# KiCad board Neptune.kicad_pcb (continued)
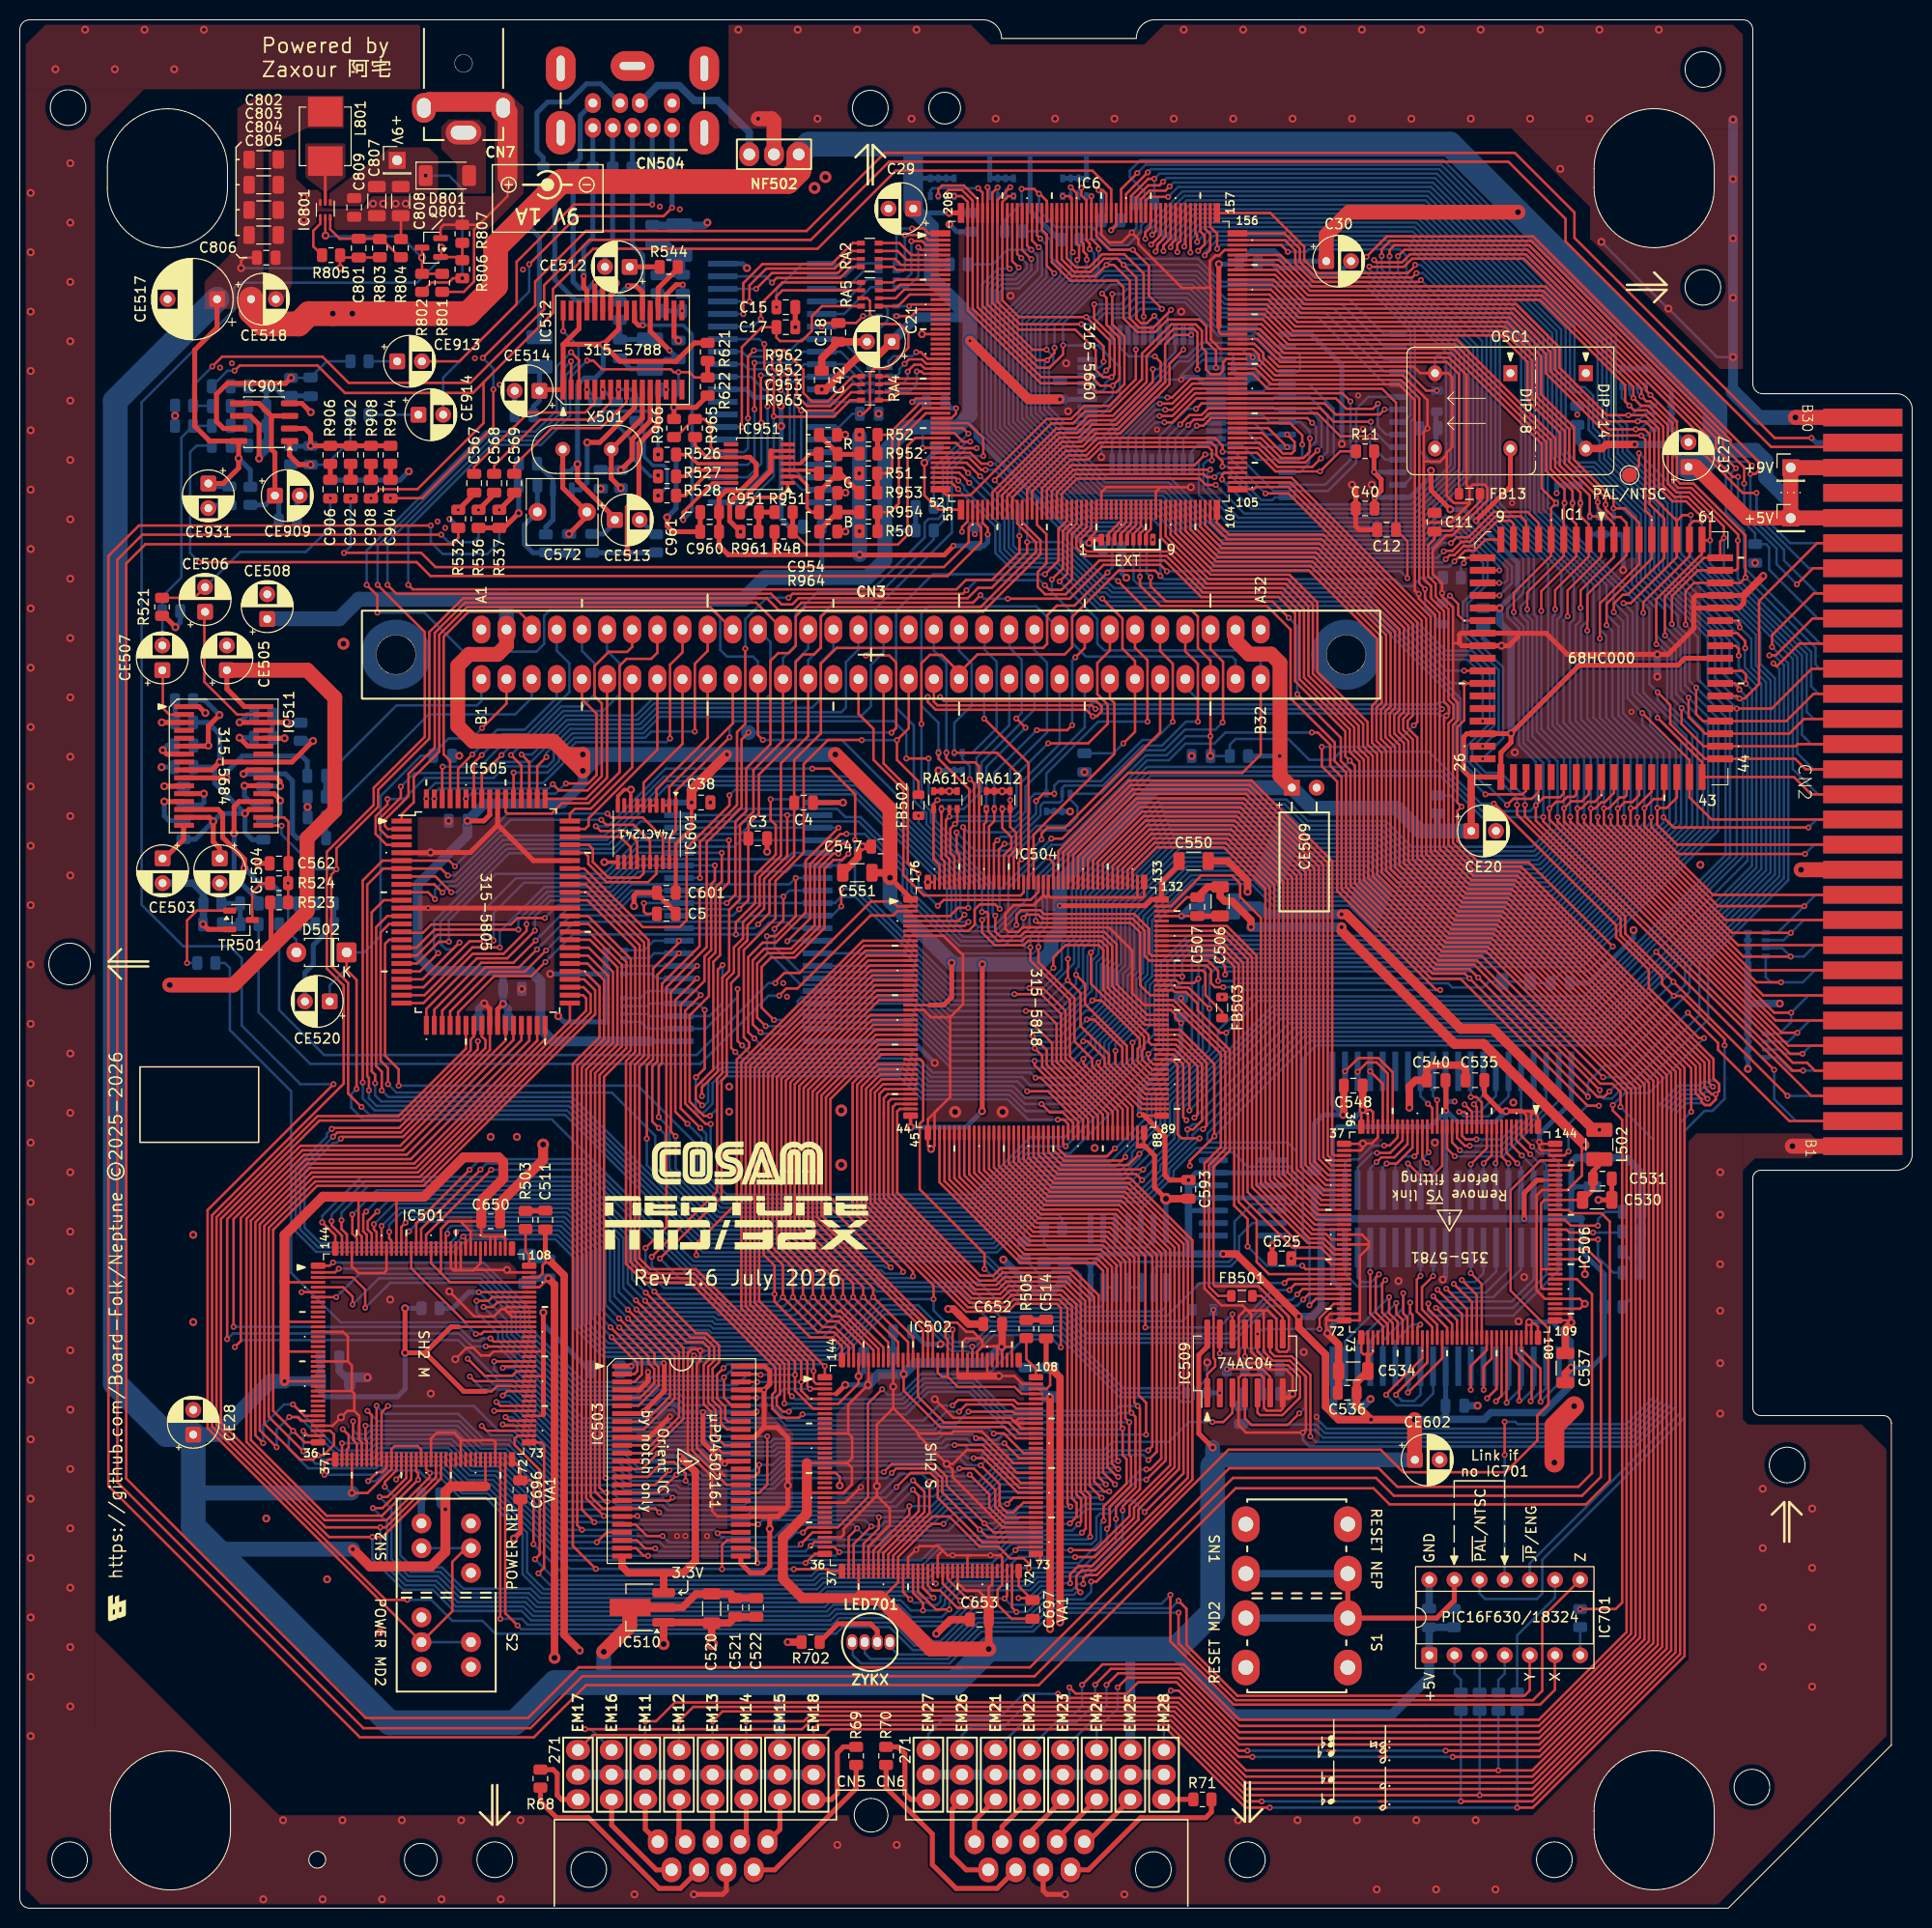
[diagram p0: board, top side]
## Footprints (pads in the part's own frame, mm; a bottom-side part is the same pattern mirrored in y, then rotated) (continued)
SO-14_Dual_Purpose_P1.27mm
  rrect 2.95x0.6 smd: 1(-2.975,3.81) 2(-2.975,2.54) 3(-2.975,1.27) 4(-2.975,0) 5(-2.975,-1.27) 6(-2.975,-2.54) 7(-2.975,-3.81) 8(2.975,-3.81) 9(2.975,-2.54) 10(2.975,-1.27) 11(2.975,0) 12(2.975,1.27) 14(2.975,3.81)
  rrect 2.95x0.59 smd: 13(2.975,2.545)
SO-32-0.8mm
  rect 0.5x2 smd: 1(-6,-4) 2(-5.2,-4) 3(-4.4,-4) 4(-3.6,-4) 5(-2.8,-4) 6(-2,-4) 7(-1.2,-4) 8(-0.4,-4) 9(0.4,-4) 10(1.2,-4) 11(2,-4) 12(2.8,-4) 13(3.6,-4) 14(4.4,-4) 15(5.2,-4) 16(6,-4) 17(6,4) 18(5.2,4) 19(4.4,4) 20(3.6,4) 21(2.8,4) 22(2,4) 23(1.2,4) 24(0.4,4) 25(-0.4,4) 26(-1.2,4) 27(-2,4) 28(-2.8,4) 29(-3.6,4) 30(-4.4,4) 31(-5.2,4) 32(-6,4)
SO-Mix-40
  rect 0.6x4 smd: 1(-12.065,-6) 2(-10.795,-6) 3(-9.525,-6) 4(-8.255,-6) 5(-6.985,-6) 6(-5.715,-6) 7(-4.445,-6) 8(-3.175,-6) 9(-1.905,-6) 10(-0.635,-6) 11(0.635,-6) 12(1.905,-6) 13(3.175,-6) 14(4.445,-6) 15(5.715,-6) 16(6.985,-6) 17(8.255,-6) 18(9.525,-6) 19(10.795,-6) 20(12.065,-6) 21(12.065,6) 22(10.795,6) 23(9.525,6) 24(8.255,6) 25(6.985,6) 26(5.715,6) 27(4.445,6) 28(3.175,6) 29(1.905,6) 30(0.635,6) 31(-0.635,6) 32(-1.905,6) 33(-3.175,6) 34(-4.445,6) 35(-5.715,6) 36(-6.985,6) 37(-8.255,6) 38(-9.525,6) 39(-10.795,6) 40(-12.065,6)
SOIC-28W_7.5x18.7mm_P1.27mm
  rrect 1.8x0.6 smd: 1(-5.6,8.255) 2(-5.6,6.985) 3(-5.6,5.715) 4(-5.6,4.445) 5(-5.6,3.175) 6(-5.6,1.905) 7(-5.6,0.635) 8(-5.6,-0.635) 9(-5.6,-1.905) 10(-5.6,-3.175) 11(-5.6,-4.445) 12(-5.6,-5.715) 13(-5.6,-6.985) 14(-5.6,-8.255) 15(5.6,-8.255) 16(5.6,-6.985) 17(5.6,-5.715) 18(5.6,-4.445) 19(5.6,-3.175) 20(5.6,-1.905) 21(5.6,-0.635) 22(5.6,0.635) 23(5.6,1.905) 24(5.6,3.175) 25(5.6,4.445) 26(5.6,5.715) 27(5.6,6.985) 28(5.6,8.255)
SOIC-40
  rect 0.6x3 smd: 1(-12.065,-7) 2(-10.795,-7) 3(-9.525,-7) 4(-8.255,-7) 5(-6.985,-7) 6(-5.715,-7) 7(-4.445,-7) 8(-3.175,-7) 9(-1.905,-7) 10(-0.635,-7) 11(0.635,-7) 12(1.905,-7) 13(3.175,-7) 14(4.445,-7) 15(5.715,-7) 16(6.985,-7) 17(8.255,-7) 18(9.525,-7) 19(10.795,-7) 20(12.065,-7) 21(12.065,7) 22(10.795,7) 23(9.525,7) 24(8.255,7) 25(6.985,7) 26(5.715,7) 27(4.445,7) 28(3.175,7) 29(1.905,7) 30(0.635,7) 31(-0.635,7) 32(-1.905,7) 33(-3.175,7) 34(-4.445,7) 35(-5.715,7) 36(-6.985,7) 37(-8.255,7) 38(-9.525,7) 39(-10.795,7) 40(-12.065,7)
SOJ-40
  rect 0.6x3 smd: 1(-12.065,-5) 2(-10.795,-5) 3(-9.525,-5) 4(-8.255,-5) 5(-6.985,-5) 6(-5.715,-5) 7(-4.445,-5) 8(-3.175,-5) 9(-1.905,-5) 10(-0.635,-5) 11(0.635,-5) 12(1.905,-5) 13(3.175,-5) 14(4.445,-5) 15(5.715,-5) 16(6.985,-5) 17(8.255,-5) 18(9.525,-5) 19(10.795,-5) 20(12.065,-5) 21(12.065,5) 22(10.795,5) 23(9.525,5) 24(8.255,5) 25(6.985,5) 26(5.715,5) 27(4.445,5) 28(3.175,5) 29(1.905,5) 30(0.635,5) 31(-0.635,5) 32(-1.905,5) 33(-3.175,5) 34(-4.445,5) 35(-5.715,5) 36(-6.985,5) 37(-8.255,5) 38(-9.525,5) 39(-10.795,5) 40(-12.065,5)
SOT-23
  rrect 1.475x0.6 smd: 1(-0.938,0.95) 2(-0.938,-0.95) 3(0.938,0)
SOT-23-3
  rrect 1.325x0.6 smd: 1(-1.137,0.95) 2(-1.137,-0.95) 3(1.137,0)
SOT-89-3_Handsoldering
  rrect 2.3x0.9 smd: 1(-2.45,1.5) 3(-2.45,-1.5)
  custom 6.6x1.733 smd: 2(-2.362,0)
SOT-563
  rrect 0.67x0.3 smd: 1(-0.75,0.5) 2(-0.75,0) 3(-0.75,-0.5) 4(0.75,-0.5) 5(0.75,0) 6(0.75,0.5)
SSOP-50
  rect 0.5x2 smd: 1(-9.6,-6) 2(-8.8,-6) 3(-8,-6) 4(-7.2,-6) 5(-6.4,-6) 6(-5.6,-6) 7(-4.8,-6) 8(-4,-6) 9(-3.2,-6) 10(-2.4,-6) 11(-1.6,-6) 12(-0.8,-6) 13(0,-6) 14(0.8,-6) 15(1.6,-6) 16(2.4,-6) 17(3.2,-6) 18(4,-6) 19(4.8,-6) 20(5.6,-6) 21(6.4,-6) 22(7.2,-6) 23(8,-6) 24(8.8,-6) 25(9.6,-6) 26(9.6,6) 27(8.8,6) 28(8,6) 29(7.2,6) 30(6.4,6) 31(5.6,6) 32(4.8,6) 33(4,6) 34(3.2,6) 35(2.4,6) 36(1.6,6) 37(0.8,6) 38(0,6) 39(-0.8,6) 40(-1.6,6) 41(-2.4,6) 42(-3.2,6) 43(-4,6) 44(-4.8,6) 45(-5.6,6) 46(-6.4,6) 47(-7.2,6) 48(-8,6) 49(-8.8,6) 50(-9.6,6)
TestPoint_Pad_D1.5mm
  round 1.5 smd: 1(0,0)
TSSOP-14_4.4x5mm_P0.65mm
  rrect 1.475x0.4 smd: 1(-2.862,1.95) 2(-2.862,1.3) 3(-2.862,0.65) 4(-2.862,0) 5(-2.862,-0.65) 6(-2.862,-1.3) 7(-2.862,-1.95) 8(2.862,-1.95) 9(2.862,-1.3) 10(2.862,-0.65) 11(2.862,0) 12(2.862,0.65) 13(2.862,1.3) 14(2.862,1.95)
TSSOP-20_4.4x6.5mm_P0.65mm
  rrect 1.475x0.4 smd: 1(-2.862,2.925) 2(-2.862,2.275) 3(-2.862,1.625) 4(-2.862,0.975) 5(-2.862,0.325) 6(-2.862,-0.325) 7(-2.862,-0.975) 8(-2.862,-1.625) 9(-2.862,-2.275) 10(-2.862,-2.925) 11(2.862,-2.925) 12(2.862,-2.275) 13(2.862,-1.625) 14(2.862,-0.975) 15(2.862,-0.325) 16(2.862,0.325) 17(2.862,0.975) 18(2.862,1.625) 19(2.862,2.275) 20(2.862,2.925)

## Nets
+3.3V: C523.1 IC503.1 IC503.7 IC503.13 IC503.25 IC503.38 IC503.44 IC510.3
+9V: C807.1 C808.1 C809.1 D801.1 IC801.1 R802.1 R806.1 TP2.1
AVCC: C21.1 C29.1 C30.1 C32.1 C37.2 C38.2 C40.2 C41.2 C42.2 C45.1 C46.1 C47.1 C48.1 C49.1 C50.1 C51.1 C508.1 C509.1 C510.1 C512.1 C513.1 C515.1 C516.1 C517.1 C518.1 C519.1 C520.1 C521.1 C522.1 C527.1 C528.1 C534.1 C535.1 C536.1 C537.1 C538.1 C539.1 C540.1 C541.1 C547.1 C548.1 C550.1 C551.1 C592.2 C593.1 C601.1 C642.2 C650.1 C651.1 C652.1 C653.1 C699.1 C701.1 C801.1 C802.1 C803.1 C804.1 C805.1 C806.1 C930.1 C960.1 C961.2 CE20.1 CE27.1 CE28.1 CE505.1 CE508.1 CE509.1 CE517.1 CE518.1 CE602.1 CE931.1 CN2.a26 CN2.a28 CN2.b26 CN2.b28 CN3.a2 CN3.a31 EM15.3 EM25.3 IC1.14 IC1.24 IC1.27 IC1.52 IC2.21 IC2.40 IC4.6 IC5.26 IC5.28 IC6.38 IC6.44 IC6.57 IC6.80 IC6.136 IC6.177 IC6.208 IC7.11 IC7.20 IC501.4 IC501.12 IC501.18 IC501.24 IC501.40 IC501.48 IC501.54 IC501.60 IC501.67 IC501.84 IC501.96 IC501.104 IC501.105 IC501.110 IC501.112 IC501.113 IC501.117 IC501.123 IC501.125 IC501.132 IC501.139 IC502.4 IC502.12 IC502.18 IC502.24 IC502.40 IC502.48 IC502.54 IC502.60 IC502.67 IC502.84 IC502.96 IC502.104 IC502.105 IC502.110 IC502.112 IC502.113 IC502.117 IC502.120 IC502.123 IC502.125 IC502.132 IC502.139 IC504.1 IC504.22 IC504.44 IC504.89 IC504.110 IC504.132 IC505.34 IC505.72 IC506.1 IC506.2 IC506.3 IC506.34 IC506.35 IC506.36 IC506.73 IC506.74 IC506.75 IC506.106 IC506.107 IC506.108 IC506.137 IC507.1 IC507.11 IC507.20 IC508.1 IC508.11 IC508.20 IC509.14 IC510.2 IC511.32 IC515.2 IC515.4 IC515.10 IC515.11 IC515.12 IC515.13 IC515.14 IC516.14 IC601.20 IC701.1 IC901.8 IC951.10 J2.1 L501.1 L502.1 L603.2 L801.2 NF502.3 OSC1.14 R10.2 R11.2 R12.1 R14.2 R15.2 R48.1 R50.1 R51.1 R52.1 R502.2 R507.2 R523.2 R558.1 R566.2 R611.1 R701.1 R803.1 R805.2 R913.2 R965.2 RA607.5 RA607.6 RA607.7 RA607.8 RA608.1 RA608.2 RA608.3 RA608.4 RA617.5 RA617.6 RA617.7 RA617.8 TP1.1 TP3.1
GND: C2.2 C3.2 C4.2 C5.2 C9.2 C10.2 C11.2 C12.2 C14.2 C15.2 C16.2 C17.2 C18.2 C21.2 C29.2 C30.2 C32.2 C37.1 C38.1 C40.1 C41.1 C42.1 C45.2 C46.2 C47.2 C48.2 C49.2 C50.2 C51.2 C60.2 C506.2 C507.2 C508.2 C509.2 C510.2 C511.2 C512.2 C513.2 C514.2 C515.2 C516.2 C517.2 C518.2 C519.2 C520.2 C521.2 C522.2 C523.2 C525.2 C526.2 C527.2 C528.2 C530.2 C531.2 C532.2 C533.2 C534.2 C535.2 C536.2 C537.2 C538.2 C539.2 C540.2 C541.2 C547.2 C548.2 C550.2 C551.2 C553.2 C554.2 C555.2 C562.1 C563.1 C570.1 C573.1 C575.2 C578.2 C580.1 C592.1 C593.2 C594.1 C595.1 C601.2 C642.1 C650.2 C651.2 C652.2 C653.2 C696.2 C697.2 C699.2 C701.2 C802.2 C803.2 C804.2 C805.2 C806.2 C807.2 C808.2 C809.2 C930.2 C960.2 C961.1 CA601.1 CA601.2 CA601.3 CA601.4 CA602.1 CA602.2 CA602.3 CA602.4 CA603.1 CA603.2 CA603.3 CA603.4 CA604.1 CA604.2 CA604.3 CA604.4 CE20.2 CE27.2 CE28.2 CE503.2 CE504.2 CE505.2 CE508.2 CE509.2 CE514.2 CE517.2 CE518.2 CE520.2 CE602.2 CE909.2 CE931.2 CN2.a1 CN2.a12 CN2.a30 CN2.b1 CN2.b12 CN2.b30 CN3.a1 CN3.a18 CN3.a32 CN5.8 CN6.8 CN7.2 CN504.10 EM11.2 EM12.2 EM13.2 EM14.2 EM15.2 EM16.2 EM17.2 EM18.2 EM21.2 EM22.2 EM23.2 EM24.2 EM25.2 EM26.2 EM27.2 EM28.2 IC1.16 IC1.17 IC1.56 IC1.57 IC2.1 IC2.20 IC4.26 IC5.14 IC6.21 IC6.34 IC6.53 IC6.54 IC6.81 IC6.92 IC6.129 IC6.133 IC6.153 IC6.179 IC6.180 IC7.30 IC7.40 IC501.6 IC501.14 IC501.20 IC501.26 IC501.33 IC501.42 IC501.50 IC501.56 IC501.62 IC501.69 IC501.78 IC501.86 IC501.91 IC501.98 IC501.99 IC501.100 IC501.106 IC501.107 IC501.115 IC501.119 IC501.120 IC501.121 IC501.134 IC501.141 IC502.6 IC502.14 IC502.20 IC502.26 IC502.33 IC502.42 IC502.50 IC502.56 IC502.62 IC502.69 IC502.78 IC502.86 IC502.91 IC502.98 IC502.99 IC502.100 IC502.106 IC502.107 IC502.115 IC502.119 IC502.121 IC502.134 IC502.141 IC503.4 IC503.10 IC503.26 IC503.31 IC503.32 IC503.41 IC503.47 IC503.50 IC504.8 IC504.23 IC504.45 IC504.46 IC504.87 IC504.88 IC504.111 IC504.130 IC504.133 IC504.134 IC504.152 IC504.153 IC504.175 IC504.176 IC505.5 IC505.12 IC505.33 IC505.53 IC505.59 IC505.71 IC506.33 IC506.37 IC506.38 IC506.55 IC506.57 IC506.71 IC506.72 IC506.109 IC506.110 IC506.111 IC506.113 IC506.121 IC506.135 IC506.139 IC506.140 IC506.143 IC506.144 IC507.21 IC507.30 IC507.40 IC508.21 IC508.30 IC508.40 IC509.7 IC510.1 IC511.1 IC512.15 IC512.18 IC512.26 IC515.7 IC516.7 IC601.8 IC601.10 IC601.11 IC701.14 IC801.3 IC901.4 IC951.5 IC951.6 J2.9 L604.2 NF502.2 OSC1.7 Q801.2 R40.2 R41.2 R508.1 R509.1 R511.1 R512.1 R514.1 R516.1 R521.2 R522.2 R529.2 R530.2 R531.2 R535.2 R536.2 R537.2 R539.2 R622.1 R702.2 R801.2 R804.2 R807.2 R909.2 R910.2 R912.2 R914.1 R961.2 R962.2 R963.2 R964.2 R966.1 RA601.5 RA601.6 RA601.7 RA601.8 RA602.5 RA602.6 RA602.7 RA602.8 RA611.5 RA611.6 RA611.7 RA611.8 RA612.5 RA612.6 RA612.7 RA612.8 RM3.1 RM3.2 RM3.3 RM3.4 RM4.1 RM4.2 RM4.3 RM4.4 RM5.1 RM5.2 RM5.3 RM5.4 RM6.1 RM6.2 RM6.3 RM6.4 S1.1 S2.1 SN1.1 SN2.1 TR501.2
3BP_VIDEO_B: IC951.13 R528.1
3BP_VIDEO_G: IC951.12 R527.1
3BP_VIDEO_R: IC951.11 R526.1
/32X Main 2/ED0: IC506.105 IC508.2
/32X Main 2/ED1: IC506.104 IC508.3
/32X Main 2/ED2: IC506.103 IC508.4
/32X Main 2/ED3: IC506.102 IC508.5
/32X Main 2/ED4: IC506.101 IC508.6
/32X Main 2/ED5: IC506.100 IC508.7
/32X Main 2/ED6: IC506.99 IC508.8
/32X Main 2/ED7: IC506.98 IC508.9
/32X Main 2/ED8: IC506.97 IC508.32
/32X Main 2/ED9: IC506.96 IC508.33
/32X Main 2/ED10: IC506.95 IC508.34
/32X Main 2/ED11: IC506.94 IC508.35
/32X Main 2/ED12: IC506.93 IC508.36
/32X Main 2/ED13: IC506.92 IC508.37
/32X Main 2/ED14: IC506.91 IC508.38
/32X Main 2/ED15: IC506.90 IC508.39
/32X Main 2/OD0: IC506.4 IC507.2
/32X Main 2/OD1: IC506.5 IC507.3
/32X Main 2/OD2: IC506.6 IC507.4
/32X Main 2/OD3: IC506.7 IC507.5
/32X Main 2/OD4: IC506.8 IC507.6
/32X Main 2/OD5: IC506.9 IC507.7
/32X Main 2/OD6: IC506.10 IC507.8
/32X Main 2/OD7: IC506.11 IC507.9
/32X Main 2/OD8: IC506.12 IC507.32
/32X Main 2/OD9: IC506.13 IC507.33
/32X Main 2/OD10: IC506.14 IC507.34
/32X Main 2/OD11: IC506.15 IC507.35
/32X Main 2/OD12: IC506.16 IC507.36
/32X Main 2/OD13: IC506.17 IC507.37
/32X Main 2/OD14: IC506.18 IC507.38
/32X Main 2/OD15: IC506.19 IC507.39
/Misc/~{PWR_EN}: Q801.1 R806.2 R807.1 S2.2 SN2.2
AD0: IC7.7 IC7.25 RA6.4
AD1: IC7.8 IC7.24 RA6.3
AD2: IC7.9 IC7.23 RA6.2
AD3: IC7.10 IC7.22 RA6.1
AD4: IC7.19 IC7.31 RA4.1
AD5: IC7.18 IC7.32 RA4.2
AD6: IC7.17 IC7.33 RA4.3
AD7: IC7.21 IC7.34 RA4.4
BFP: IC506.141 IC512.2
CTA1: CN3.a17 IC505.4
CTA2: CN3.a15 IC505.3
CTA3: CN3.a13 IC505.2
CTA4: CN3.a11 IC505.1
CTA5: CN3.a9 IC505.80
CTA6: CN3.a7 IC505.79
CTA7: CN3.a5 IC505.78
CTA8: CN3.a3 IC505.77
CTA9: CN3.b4 IC505.76
CTA10: CN3.b5 IC505.75
CTA11: CN3.a4 IC505.74
CTA12: CN3.a6 IC505.73
CTA13: CN3.a8 IC505.70
CTA14: CN3.a10 IC505.69
CTA15: CN3.a12 IC505.68
CTA16: CN3.a14 IC505.67
CTA17: CN3.a16 IC505.66
CTA18: CN3.b6 IC505.65
CTA19: CN3.b7 IC505.64
CTA20: CN3.b8 IC505.63
CTA21: IC505.62 IC601.13
CTA22: IC505.61 IC601.15
CTA23: IC505.60 IC601.17
CTD0: CN3.a20 IC504.159 RA602.3
CTD1: CN3.a23 IC504.160 RA612.4
CTD2: CN3.a26 IC504.161 RA612.3
CTD3: CN3.a29 IC504.162 RA601.3
CTD4: CN3.a28 IC504.163 RA601.2
CTD5: CN3.a25 IC504.164 RA612.2
CTD6: CN3.a22 IC504.165 RA612.1
CTD7: CN3.a19 IC504.166 RA602.2
CTD8: CN3.a21 IC504.167 RA602.4
CTD9: CN3.a24 IC504.168 RA602.1
CTD10: CN3.a27 IC504.169 RA601.1
CTD11: CN3.a30 IC504.170 RA601.4
CTD12: CN3.b25 IC504.171 RA611.4
CTD13: CN3.b24 IC504.172 RA611.3
CTD14: CN3.b23 IC504.173 RA611.2
CTD15: CN3.b22 IC504.174 RA611.1
EDCLK: C11.1 FB13.2 R562.1
FC0: IC1.30 IC6.50
FC1: IC1.29 IC6.51
FTOB: IC501.95 R525.2
IA14: IC2.34 IC6.77
IOB: IC506.131 R534.1
IOG: IC506.123 R533.1
IOR: IC506.117 R532.1
LED_B: IC701.8 LED701.1
LED_G: IC701.5 LED701.2
LED_R: IC701.6 LED701.4
LPF_BYPASS: IC951.9 R965.1 R966.2
MA_SL: CE913.2 FB511.1
MA_SR: CE914.2 FB510.1
MCLK: FB1.2 IC6.134
MOL: C901.1 IC6.56
MOR: C902.1 IC6.55
NTSC: IC6.46 IC506.68 IC512.32 IC701.12 TP5.1
PA0: EM11.3 IC6.100 R706.2
PA1: EM12.3 IC6.101
PA2: EM13.3 IC6.102
PA3: EM14.3 IC6.103
PA4: EM16.3 IC6.104 R705.2
PA5: EM18.3 IC6.105 R704.2
PA6: EM17.3 IC6.106 R707.2
PB0: EM21.3 IC6.93
PB1: EM22.3 IC6.94
PB2: EM23.3 IC6.95
PB3: EM24.3 IC6.96
PB4: EM26.3 IC6.97
PB5: EM28.3 IC6.98
PB6: EM27.3 IC6.99
PC0: IC6.85 J2.2
PC1: IC6.86 J2.3
PC2: IC6.87 J2.4
PC3: IC6.88 J2.5
PC4: IC6.89 J2.6
PC5: IC6.90 J2.7
PC6: IC6.91 J2.8
PCM0: IC504.2 R515.1
PCM1: IC504.3 R513.1
PSG: C907.1 C908.1 IC6.178 R912.1
R/W: IC1.9 IC6.194
SBCR: C621.1 IC6.131 R621.1 R622.2
SCK: IC501.103 IC502.103 R502.1
SD0: IC7.2 RA1.4
SD1: IC7.3 RA1.3
SD2: IC7.4 RA1.2
SD3: IC7.5 RA1.1
SD4: IC7.36 RA2.1
SD5: IC7.37 RA2.2
SD6: IC7.38 RA2.3
SD7: IC7.39 RA2.4
SHA1: IC501.31 IC502.31 IC503.21 IC504.35 IC505.40
SHA2: IC501.32 IC502.32 IC503.22 IC504.36 IC505.41
SHA3: IC501.34 IC502.34 IC503.23 IC504.37 IC505.42
SHA4: IC501.35 IC502.35 IC503.24 IC504.38 IC505.43
SHA5: IC501.36 IC502.36 IC503.27 IC504.39 IC505.44
SHA6: IC501.37 IC502.37 IC503.28 IC504.40 IC505.45
SHA7: IC501.38 IC502.38 IC503.29 IC504.41 IC505.46
SHA8: IC501.39 IC502.39 IC503.30 IC504.42 IC505.47
SHA9: IC501.41 IC502.41 IC503.20 IC504.43 IC505.48
SHA10: IC501.43 IC502.43 IC503.19 IC504.47 IC505.49
SHA11: IC501.44 IC502.44 IC504.48 IC505.50
SHA12: IC501.45 IC502.45 IC504.49 IC505.51
SHA13: IC501.46 IC502.46 IC504.50 IC505.52
SHA14: IC501.47 IC502.47 IC504.51 IC505.54
SHA15: IC501.49 IC502.49 IC504.52 IC505.55
SHA16: IC501.51 IC502.51 IC504.53 IC505.56
SHA17: IC501.52 IC502.52 IC504.54 IC505.57
SHA18: IC501.53 IC502.53 IC505.39
SHA19: IC501.55 IC502.55 IC505.38
SHA20: IC501.57 IC502.57 IC505.31
SHA21: IC501.58 IC502.58 IC505.30
SHCLK: FB506.2 IC501.118 IC502.118 IC503.35 IC505.32
SHD0: IC501.130 IC502.130 IC503.2 IC504.26
SHD1: IC501.131 IC502.131 IC503.3 IC504.25
SHD2: IC501.133 IC502.133 IC503.5 IC504.24
SHD3: IC501.135 IC502.135 IC503.6 IC504.21
SHD4: IC501.136 IC502.136 IC503.8 IC504.20
SHD5: IC501.137 IC502.137 IC503.9 IC504.19
SHD6: IC501.138 IC502.138 IC503.11 IC504.18
SHD7: IC501.140 IC502.140 IC503.12 IC504.17
SHD8: IC501.142 IC502.142 IC503.39 IC504.16
SHD9: IC501.143 IC502.143 IC503.40 IC504.15
SHD10: IC501.144 IC502.144 IC503.42 IC504.14
SHD11: IC501.1 IC502.1 IC503.43 IC504.13
SHD12: IC501.2 IC502.2 IC503.45 IC504.12
SHD13: IC501.3 IC502.3 IC503.46 IC504.11
SHD14: IC501.5 IC502.5 IC503.48 IC504.10
SHD15: IC501.7 IC502.7 IC503.49 IC504.9
SHDREQ0: IC501.70 IC502.70 IC504.66
SHDREQ1: IC501.71 IC502.71 IC504.65
SHRDWR: IC501.77 IC502.77 IC503.15 IC504.59
SL1: C591.1 CN3.b1 R512.2
SL2: C903.1 CN2.b29 R41.1
SL4: C905.1 CE507.2 R522.1 R909.1
SR1: C589.1 CN3.b3 R511.2
SR2: C904.1 CN2.a29 R40.1
SR4: C906.1 CE506.2 R521.1 R910.1
TX0M: IC501.102 IC502.101
TX0S: IC501.101 IC502.102
VA1: CN2.b3 IC1.32 IC2.11 IC6.154 IC504.84 IC505.29
VA2: CN2.b4 IC1.33 IC2.10 IC6.155 IC504.83 IC505.28
VA3: CN2.b5 IC1.34 IC2.9 IC6.156 IC504.82 IC505.27
VA4: CN2.b6 IC1.35 IC2.8 IC6.157 IC504.81 IC505.26
VA5: CN2.b7 IC1.36 IC2.7 IC6.158 IC504.80 IC505.25
VA6: CN2.b8 IC1.37 IC2.6 IC6.159 IC504.79 IC505.24
VA7: CN2.b9 IC1.38 IC2.5 IC6.160 IC504.78 IC505.23
VA8: CN2.b10 IC1.39 IC2.4 IC6.161 IC504.77 IC505.22
VA9: CN2.b11 IC1.40 IC2.3 IC6.162 IC504.76 IC505.21
VA10: CN2.b13 IC1.41 IC2.2 IC6.163 IC504.75 IC505.20
VA11: CN2.b14 IC1.42 IC2.37 IC6.164 IC504.74 IC505.19
VA12: CN2.b15 IC1.43 IC2.36 IC6.165 IC504.73 IC505.18
VA13: CN2.b16 IC1.44 IC2.35 IC6.166 IC504.72 IC505.17
VA14: CN2.b17 IC1.45 IC6.167 IC504.71 IC505.16
VA15: CN2.b18 IC1.46 IC2.33 IC6.168 IC504.70 IC505.15
VA16: CN2.b19 IC1.47 IC6.169 IC504.69 IC505.14
VA17: CN2.b20 IC1.48 IC6.170 IC504.68 IC505.13
VA18: CN2.b25 IC1.49 IC6.171 IC504.67 IC505.11
VA19: CN2.a2 IC1.50 IC6.172 IC504.101
VA20: IC1.51 IC6.173 IC504.102
VA21: C2.1 IC1.53 IC6.174 IC504.103 IC601.14
VA22: IC1.54 IC6.175 IC504.104 IC505.7 IC601.16
VA23: IC1.55 IC6.176 IC504.105 IC505.6 IC601.18
VCLK: CN3.b19 FB7.1 IC6.130 IC509.9
VD0: CA601.8 CN2.a4 IC1.5 IC2.12 IC6.137 IC504.86 RM3.8
VD1: CA601.7 CN2.a5 IC1.4 IC2.13 IC6.138 IC504.92 RM3.7
VD2: CA601.6 CN2.a6 IC1.3 IC2.14 IC6.139 IC504.95 RM3.6
VD3: CA601.5 CN2.a7 IC1.2 IC2.15 IC6.140 IC504.98 RM3.5
VD4: CA602.5 CN2.a8 IC1.1 IC2.16 IC6.141 IC504.97 RM4.8
VD5: CA602.6 CN2.a9 IC1.68 IC2.17 IC6.142 IC504.94 RM4.7
VD6: CA602.7 CN2.a10 IC1.67 IC2.18 IC6.143 IC504.91 RM4.6
VD7: CA602.8 CN2.a11 IC1.66 IC2.19 IC6.144 IC504.85 RM4.5
VD8: CA603.5 CN2.a13 IC1.65 IC2.22 IC6.145 IC504.90 RM5.8
VD9: CA603.6 CN2.a14 IC1.64 IC2.23 IC6.146 IC504.93 RM5.7
VD10: CA603.7 CN2.a15 IC1.63 IC2.24 IC6.147 IC504.96 RM5.6
VD11: CA603.8 CN2.a16 IC1.62 IC2.25 IC6.148 IC504.99 RM5.5
VD12: CA604.8 CN2.a17 IC1.61 IC2.26 IC6.149 IC504.117 RM6.8
VD13: CA604.7 CN2.a18 IC1.60 IC2.27 IC6.150 IC504.116 RM6.7
VD14: CA604.6 CN2.a19 IC1.59 IC2.28 IC6.151 IC504.115 RM6.6
VD15: CA604.5 CN2.a20 IC1.58 IC2.29 IC6.152 IC504.114 RM6.5
VIDEO_B: IC6.37 R50.2 R954.1
VIDEO_G: IC6.36 R51.2 R953.1
VIDEO_R: IC6.35 R52.2 R952.1
XA21: CN3.b9 IC601.6 IC601.7
XA22: CN3.b10 IC601.4 IC601.5
XA23: CN3.b11 IC601.2 IC601.3
XBOUT: FB515.1 IC512.27
XEDCLK: IC506.69 IC509.5 IC509.10
XGOUT: FB514.1 IC512.28
XROUT: FB513.1 IC512.29
XVOUT: CE512.2 FB516.1
ZA0: IC4.27 IC5.10 IC6.112 R11.1
ZA1: IC4.28 IC5.9 IC6.113
ZA2: IC4.29 IC5.8 IC6.114
ZA3: IC4.30 IC5.7 IC6.115
ZA4: IC4.31 IC5.6 IC6.116
ZA5: IC4.32 IC5.5 IC6.117
ZA6: IC4.34 IC5.4 IC6.118
ZA7: IC4.35 IC5.3 IC6.119
ZA8: IC4.36 IC5.25 IC6.120
ZA9: IC4.37 IC5.24 IC6.121
ZA10: IC4.38 IC5.21 IC6.122
ZA11: IC4.40 IC5.23 IC6.123
ZA12: IC4.41 IC5.2 IC6.124
ZA13: IC4.42 IC6.125
ZA14: IC4.43 IC6.126
ZA15: IC4.44 IC6.127
ZCLK: C9.1 IC4.1 IC6.132
ZD0: IC4.9 IC5.11 IC6.200 RA607.1
ZD1: IC4.10 IC5.12 IC6.201 RA607.2
ZD2: IC4.7 IC5.13 IC6.202 RA607.3
ZD3: IC4.3 IC5.15 IC6.203 RA607.4
ZD4: IC4.2 IC5.16 IC6.204 RA617.4
ZD5: IC4.4 IC5.17 IC6.205 RA617.3
ZD6: IC4.5 IC5.18 IC6.206 RA617.2
ZD7: IC4.8 IC5.19 IC6.207 RA617.1
~{3BP_CSYNC}: FB517.1 IC512.23 IC951.14
~{ASEL}: C60.1 CN2.a22 FB503.1 IC6.70
~{AS}: IC6.191 IC516.12 IC516.13 R75.2 R558.2 R559.1
~{BACKM}: IC501.93 IC505.36
~{BACKS}: IC502.92 IC505.37
~{BGAK}: IC1.12 IC6.183 RA608.6
~{BG}: IC1.11 IC6.184
~{BREQS}: IC501.92 IC502.93 IC505.35
~{BR}: IC1.13 IC6.182 RA608.5
~{CART}: CN3.b32 IC6.76 IC504.7
~{CAS0}: CN2.a3 IC6.198 IC504.106 IC515.3
~{CAS1}: C17.1 IC7.27 RA5.4
~{CAS2}: CN2.b23 IC6.68 IC504.113
~{CASEL}: CN3.b26 IC504.155
~{CCAS0}: CN3.b16 IC504.157
~{CCAS2}: CN3.b21 IC504.156
~{CCE0}: CN3.b17 IC504.154
~{CE0}: IC6.74 IC504.107
~{CLWR}: CN3.b28 IC504.158
~{CSYNC}: IC6.42 R48.2 R951.1
~{DISK}: CN2.b2 IC6.79
~{DTAK}: CN3.b20 IC6.195 IC504.109 R15.1 R74.1
~{EOE}: C5.1 IC2.32 IC6.64
~{FDC}: CN2.a24 IC6.72
~{FDWR}: CN2.b24 IC6.73
~{FRES}: CN2.a25 IC6.108
~{HALT}: IC1.19 IC6.48
~{HSYNC}: CN3.b14 IC6.43 IC506.65 R14.1
~{INT}: IC4.12 IC6.181 R10.1
~{IORQ}: IC4.16 IC6.187
~{IPL1}: IC1.26 IC6.185 RA608.7
~{IPL2}: IC1.25 IC6.186 RA608.8
~{JAP}: IC6.107 IC701.10
~{LDS}: IC1.8 IC6.193
~{LWR}: CN2.b21 IC2.38 IC6.197 IC504.120
~{M1}: IC4.24 IC6.190
~{M3}: C14.1 CN3.b30 IC6.45 IC601.1 IC601.19 R566.1 R708.2
~{MREQ}: IC4.15 IC6.52
~{MRES}: C595.2 CE520.1 CN3.b2 D502.1 IC506.64
~{NMI}: IC4.13 IC6.61
~{NOE}: C3.1 IC2.31 IC6.65
~{OE1}: C18.1 IC7.6 RA3.1
~{RAS0}: C4.1 IC2.30 IC6.199
~{RAS1}: C16.1 IC7.14 RA5.3
~{RAS2}: CN2.a23 IC6.69
~{REF}: IC5.1 IC6.67
~{ROM}: CN2.a21 IC6.71
~{SC}: C15.1 IC7.1 RA5.2
~{SE0}: IC7.35 RA5.1
~{SHBS}: IC501.76 IC502.76 IC504.60
~{SHCAS}: IC501.80 IC502.80 IC503.16
~{SHCKE}: IC501.88 IC503.34
~{SHCS0M}: C696.1 IC501.72 IC504.64
~{SHCS0S}: C697.1 IC502.72 IC504.63
~{SHCS1}: IC501.73 IC502.73 IC504.62
~{SHCS2}: IC501.74 IC502.74 IC504.61
~{SHCS3}: IC501.75 IC502.75 IC503.18
~{SHDQMLL}: IC501.85 IC502.85 IC503.14 IC504.57
~{SHDQMLU}: IC501.83 IC502.83 IC503.36 IC504.58
~{SHMIRL1}: IC501.128 IC504.30
~{SHMIRL2}: IC501.127 IC504.31
~{SHMIRL3}: IC501.126 IC504.32
~{SHRAS}: IC501.79 IC502.79 IC503.17
~{SHRD0}: IC504.56 IC509.12
~{SHRD}: IC501.87 IC502.87 IC509.3
~{SHRES}: IC501.122 IC502.122 IC504.34
~{SHSIRL1}: IC502.128 IC504.27
~{SHSIRL2}: IC502.127 IC504.28
~{SHSIRL3}: IC502.126 IC504.29
~{SHWAIT}: IC501.89 IC502.89 IC504.55
~{TIME}: CN3.b31 IC6.75
~{UDS}: IC1.7 IC6.192
~{UWR}: CN2.b22 CN3.b29 IC2.39 IC6.196 IC504.121
~{VPA}: IC1.23 IC6.47
~{VRES}: C553.1 C594.2 CN3.b27 D699.1 D699.2 IC1.20 IC6.49 IC504.119 R611.2
~{VSYNC}: CN3.b13 IC6.41 IC506.66
~{WAIT}: IC4.21 IC6.63
~{WE0}: IC7.12 RA3.2
~{WRES}: IC6.78 IC701.11
~{XAS}: CN3.b18 FB502.1 IC516.8
~{XRESET}: C12.1 IC6.128 IC504.100 IC511.17
~{YS0}: CN3.b12 IC506.142 IC512.3
~{YS}: IC6.39 IC506.67 TP4.1
~{ZBAK}: IC4.20 IC6.60
~{ZBR}: IC4.22 IC6.62
~{ZRAM}: IC5.20 IC6.66
~{ZRD}: IC4.18 IC5.22 IC6.188
~{ZRES}: IC4.23 IC6.59
~{ZWR}: IC4.19 IC5.27 IC6.189
Net-(C511-Pad1): C511.1 R503.2
Net-(C514-Pad1): C514.1 R505.2
Net-(C526-Pad1): C526.1 IC509.13 R506.2
Net-(C530-Pad1): C530.1 C531.1 IC506.115 IC506.119 IC506.133 L502.2
Net-(C554-Pad1): C554.1 C588.1 R513.2 R514.2
Net-(C555-Pad1): C555.1 C590.1 R515.2 R516.2
Net-(C564-Pad1): C564.1 R526.2 R529.1
Net-(C565-Pad1): C565.1 R527.2 R530.1
Net-(C566-Pad1): C566.1 R528.2 R531.1
Net-(C567-Pad1): C567.1 R532.2 R535.1
Net-(C568-Pad1): C568.1 R533.2 R536.1
Net-(C569-Pad1): C569.1 R534.2 R537.1
Net-(C570-Pad2): C570.2 C571.1 C572.2 R540.2
Net-(C571-Pad2): C571.2 C572.1 X501.1
Net-(C574-Pad1): C574.1 L605.1 R545.2
Net-(C577-Pad2): C577.2 C578.1 L604.1 R547.2
Net-(C901-Pad2): C901.2 R901.1
Net-(C902-Pad2): C902.2 R902.1
Net-(C903-Pad2): C903.2 R903.1
Net-(C904-Pad2): C904.2 R904.1
Net-(C905-Pad2): C905.2 R905.1
Net-(C906-Pad2): C906.2 R906.1
Net-(C907-Pad2): C907.2 R907.2
Net-(C908-Pad2): C908.2 R908.1
Net-(C911-Pad2): C911.2 IC901.7 R915.2 R917.1
Net-(C912-Pad2): C912.2 IC901.1 R916.2 R918.1
Net-(C951-Pad1): C951.1 R951.2 R961.1
Net-(C952-Pad1): C952.1 R952.2 R962.1
Net-(C953-Pad1): C953.1 R953.2 R963.1
Net-(C954-Pad1): C954.1 R954.2 R964.1
Net-(CE512-Pad1): CE512.1 R544.2
Net-(CE513-Pad2): CE513.2 R549.2
Net-(CE913-Pad1): CE913.1 R917.2
Net-(CE914-Pad1): CE914.1 R918.2
Net-(CN5-Pin_1): CN5.1 EM11.1
Net-(CN5-Pin_2): CN5.2 EM12.1
Net-(CN5-Pin_3): CN5.3 EM13.1
Net-(CN5-Pin_4): CN5.4 EM14.1
Net-(CN5-Pin_5): CN5.5 EM15.1
Net-(CN5-Pin_6): CN5.6 EM16.1
Net-(CN5-Pin_7): CN5.7 R68.2
Net-(CN5-Pin_9): CN5.9 R69.2
Net-(CN6-Pin_1): CN6.1 EM21.1
Net-(CN6-Pin_2): CN6.2 EM22.1
Net-(CN6-Pin_3): CN6.3 EM23.1
Net-(CN6-Pin_4): CN6.4 EM24.1
Net-(CN6-Pin_5): CN6.5 EM25.1
Net-(CN6-Pin_6): CN6.6 EM26.1
Net-(CN6-Pin_7): CN6.7 R70.2
Net-(CN6-Pin_9): CN6.9 R71.2
Net-(CN504-Pin_1): CN504.1 FB515.2
Net-(CN504-Pin_2): CN504.2 NF502.1
Net-(CN504-Pin_3): CN504.3 FB514.2
Net-(CN504-Pin_4): CN504.4 FB516.2
Net-(CN504-Pin_5): CN504.5 FB517.2
Net-(CN504-Pin_7): CN504.7 FB513.2
Net-(CN504-Pin_8): CN504.8 FB511.2
Net-(CN504-Pin_9): CN504.9 FB510.2
Net-(D502-A): C562.2 D502.2 IC511.18 R523.1 R524.2
Net-(D801-A): CN7.1 D801.2
Net-(EM17-Pad1): EM17.1 R68.1
Net-(EM18-Pad1): EM18.1 R69.1
Net-(EM27-Pad1): EM27.1 R70.1
Net-(EM28-Pad1): EM28.1 R71.1
Net-(FB501-Pad1): FB501.1 IC509.8
Net-(FB505-Pad2): FB505.2 IC509.1
Net-(FB506-Pad1): FB506.1 IC509.2
Net-(IC1-AS): IC1.6 R75.1
Net-(IC1-CLK): FB7.2 IC1.15
Net-(IC1-DTACK): IC1.10 R74.2
Net-(IC6-/CAS1): IC6.13 RA5.5
Net-(IC6-/OE1): IC6.16 RA3.4
Net-(IC6-/RAS1): IC6.12 RA5.6
Net-(IC6-/SC): IC6.11 RA5.7
Net-(IC6-/SE0): IC6.10 RA5.8
Net-(IC6-/WE0): IC6.15 RA3.3
Net-(IC6-AD0): IC6.26 RA6.5
Net-(IC6-AD1): IC6.27 RA6.6
Net-(IC6-AD2): IC6.28 RA6.7
Net-(IC6-AD3): IC6.29 RA6.8
Net-(IC6-AD4): IC6.30 RA4.8
Net-(IC6-AD5): IC6.31 RA4.7
Net-(IC6-AD6): IC6.32 RA4.6
Net-(IC6-AD7): IC6.33 RA4.5
Net-(IC6-EDCLK): FB13.1 IC6.135
Net-(IC6-SD0): IC6.1 RA1.5
Net-(IC6-SD1): IC6.2 RA1.6
Net-(IC6-SD2): IC6.3 RA1.7
Net-(IC6-SD3): IC6.4 RA1.8
Net-(IC6-SD4): IC6.5 RA2.8
Net-(IC6-SD5): IC6.6 RA2.7
Net-(IC6-SD6): IC6.7 RA2.6
Net-(IC6-SD7): IC6.8 RA2.5
Net-(IC6-SPA/B): IC6.40 R12.2
Net-(IC501-CAP1): IC501.108 R503.1
Net-(IC501-FTOA): IC501.97 IC501.129
Net-(IC502-CAP1): IC502.108 R505.1
Net-(IC502-FTOA): IC502.97 IC502.129
Net-(IC504A-AVDD): C506.1 C507.1 IC504.129 L501.2
Net-(IC504A-CKIO): FB505.1 IC504.33
Net-(IC504A-OVA19): IC504.4 IC505.10
Net-(IC504A-OVA20): IC504.5 IC505.9
Net-(IC504A-OVA21): IC504.6 IC505.8
Net-(IC504A-VCLK): FB501.2 IC504.112
Net-(IC504A-~{ASEL}): FB503.2 IC504.118
Net-(IC504A-~{AS}): FB502.2 IC504.108
Net-(IC504A-~{SEL}): IC504.151 IC505.58
Net-(IC504B-ACCS): C525.1 IC504.125 IC506.61
Net-(IC504B-AD0): IC504.135 IC506.54
Net-(IC504B-AD1): IC504.136 IC506.53
Net-(IC504B-AD2): IC504.137 IC506.52
Net-(IC504B-AD3): IC504.138 IC506.51
Net-(IC504B-AD4): IC504.139 IC506.50
Net-(IC504B-AD5): IC504.140 IC506.49
Net-(IC504B-AD6): IC504.141 IC506.48
Net-(IC504B-AD7): IC504.142 IC506.47
Net-(IC504B-AD8): IC504.143 IC506.46
Net-(IC504B-AD9): IC504.144 IC506.45
Net-(IC504B-AD10): IC504.145 IC506.44
Net-(IC504B-AD11): IC504.146 IC506.43
Net-(IC504B-AD12): IC504.147 IC506.42
Net-(IC504B-AD13): IC504.148 IC506.41
Net-(IC504B-AD14): IC504.149 IC506.40
Net-(IC504B-AD15): IC504.150 IC506.39
Net-(IC504B-C23): IC504.131 IC506.56
Net-(IC504B-DIR): IC504.126 IC506.59
Net-(IC504B-HINT): IC504.122 IC506.62
Net-(IC504B-RW): IC504.127 IC506.58
Net-(IC504B-VACK): IC504.124 IC506.60
Net-(IC504B-VINT): IC504.123 IC506.63
Net-(IC506-COMP): C532.1 IC506.129
Net-(IC506-EA0): IC506.84 IC508.15
Net-(IC506-EA1): IC506.83 IC508.16
Net-(IC506-EA2): IC506.82 IC508.17
Net-(IC506-EA3): IC506.81 IC508.18
Net-(IC506-EA4): IC506.80 IC508.19
Net-(IC506-EA5): IC506.79 IC508.22
Net-(IC506-EA6): IC506.78 IC508.23
Net-(IC506-EA7): IC506.77 IC508.24
Net-(IC506-IREF): IC506.125 R509.2
Net-(IC506-OA0): IC506.25 IC507.15
Net-(IC506-OA1): IC506.26 IC507.16
Net-(IC506-OA2): IC506.27 IC507.17
Net-(IC506-OA3): IC506.28 IC507.18
Net-(IC506-OA4): IC506.29 IC507.19
Net-(IC506-OA5): IC506.30 IC507.22
Net-(IC506-OA6): IC506.31 IC507.23
Net-(IC506-OA7): IC506.32 IC507.24
Net-(IC506-VREF): C533.1 IC506.127 R507.1 R508.2
Net-(IC506-~{ECAS}): IC506.88 IC508.29
Net-(IC506-~{ELWR}): IC506.86 IC508.13
Net-(IC506-~{EOE}): IC506.87 IC508.28
Net-(IC506-~{ERAS}): IC506.89 IC508.14
Net-(IC506-~{EUWR}): IC506.85 IC508.12
Net-(IC506-~{OCAS}): IC506.21 IC507.29
Net-(IC506-~{OLWR}): IC506.23 IC507.13
Net-(IC506-~{OOE}): IC506.22 IC507.28
Net-(IC506-~{ORAS}): IC506.20 IC507.14
Net-(IC506-~{OUWR}): IC506.24 IC507.12
Net-(IC509-Pad4): IC509.4 R506.1
Net-(IC509-Pad6): IC509.6 R561.2
Net-(IC509-Pad11): IC509.11 R561.1 R562.2
Net-(IC511-CDIN1): C558.2 C561.2 C563.2 CE504.1 IC511.9 IC511.15 IC511.19 IC511.25 R518.1 R520.1
Net-(IC511-FMIN1): C590.2 IC511.14
Net-(IC511-FMIN2): C588.2 IC511.20
Net-(IC511-HPIN1): IC511.3 R519.1 R520.2
Net-(IC511-HPIN2): IC511.30 R517.1 R518.2
Net-(IC511-HPO1): CE507.1 IC511.2
Net-(IC511-HPO2): CE506.1 IC511.31
Net-(IC511-LFB1): C560.2 IC511.12
Net-(IC511-LFB2): C559.2 IC511.22
Net-(IC511-LPF1): C561.1 IC511.13
Net-(IC511-LPF2): C558.1 IC511.21
Net-(IC511-LPIN1): C557.2 IC511.7
Net-(IC511-LPIN2): C556.2 IC511.27
Net-(IC511-LPO1): C560.1 IC511.11
Net-(IC511-LPO2): C559.1 IC511.23
Net-(IC511-MOUT1): C557.1 IC511.6 R519.2
Net-(IC511-MOUT2): C556.1 IC511.28 R517.2
Net-(IC511-REFIN): CE503.1 IC511.16
Net-(IC511-ROMIN1): C591.2 IC511.10
Net-(IC511-ROMIN2): C589.2 IC511.24
Net-(IC512-BIN1): C566.2 IC512.8
Net-(IC512-BIN2): C569.2 IC512.9
Net-(IC512-CIN): C577.1 IC512.19
Net-(IC512-COUT): C576.1 C576.2 IC512.17 R547.1
Net-(IC512-GIN1): C565.2 IC512.6
Net-(IC512-GIN2): C568.2 IC512.7
Net-(IC512-PDO): C579.1 IC512.13 R549.1
Net-(IC512-RIN1): C564.2 IC512.4
Net-(IC512-RIN2): C567.2 IC512.5
Net-(IC512-TEST): IC512.31
Net-(IC512-VIN): C621.2 IC512.14
Net-(IC512-VOUT): IC512.20 R544.1
Net-(IC512-YA): IC512.10 TR502.1
Net-(IC512-YB): IC512.11 R541.1 X501.2
Net-(IC512-YC): C573.2 IC512.12 R541.2
Net-(IC512-YIN): C574.2 C575.1 IC512.21 L605.2
Net-(IC512-YOUT): IC512.22 R545.1
Net-(IC515A-~{Q}): IC515.6 IC516.9
Net-(IC515A-~{R}): IC515.1 IC516.3 IC516.4 IC516.5
Net-(IC516-Pad1): IC516.1 IC516.2 R559.2 R560.1
Net-(IC516-Pad6): IC516.6 R560.2
Net-(IC516-Pad10): IC516.10 IC516.11
Net-(IC701-RA0): IC701.13 R701.2 S1.2 SN1.2
Net-(IC701-RA3/~{MCLR}): IC701.4 R706.1
Net-(IC701-RA4): IC701.3 R705.1
Net-(IC701-RA5): IC701.2 R704.1
Net-(IC701-RC1): IC701.9 R707.1
Net-(IC701-RC3): IC701.7 R708.1
Net-(IC801-EN): IC801.5 Q801.3 R801.1 R802.2
Net-(IC801-SW): IC801.2 L801.1
Net-(IC801-VBST): IC801.4 R805.1
Net-(IC801-VFB): C801.2 IC801.6 R803.2 R804.1
Net-(IC901A-+): CE909.1 IC901.3 IC901.5 R913.1 R914.2
Net-(IC901A--): C912.1 IC901.2 R902.2 R904.2 R906.2 R908.2 R916.1
Net-(IC901B--): C911.1 IC901.6 R901.2 R903.2 R905.2 R907.1 R915.1
Net-(IC951-CH1_IN): C951.2 IC951.1
Net-(IC951-CH2_IN): C954.2 IC951.2
Net-(IC951-CH3_IN): C953.2 IC951.3
Net-(IC951-CH4_IN): C952.2 IC951.4
Net-(LED701-K): LED701.3 R702.1
Net-(OSC1-OUT): C10.1 FB1.1 OSC1.8
Net-(TR501-B): R525.1 TR501.1
Net-(TR501-C): R524.1 TR501.3
Net-(TR502-C): C579.2 C580.2 CE513.1 CE514.1 IC512.1 IC512.25 IC512.30 L603.1 R621.2 TR502.3
Net-(TR502-E): R539.1 R540.1 TR502.2

Pads without a net: CN2 a27 b27; CN3 b15; CN504 6; IC1 18 21 22 28 31; IC4 11 14 17 25 33 39; IC6 9 14 17 18 19 20 22 23 24 25 58 82 83 84 109 110 111; IC7 13 15 16 26 28 29; IC501 8 9 10 11 13 15 16 17 19 21 22 23 25 27 28 29 30 59 61 63 64 65 66 68 81 82 90 94 109 111 114 116 124; IC502 8 9 10 11 13 15 16 17 19 21 22 23 25 27 28 29 30 59 61 63 64 65 66 68 81 82 88 90 94 95 109 111 114 116 124; IC503 33 37; IC504 128; IC506 70 76 112 114 116 118 120 122 124 126 128 130 132 134 136 138; IC507 10 25 26 27 31; IC508 10 25 26 27 31; IC511 4 5 8 26 29; IC512 16 24; IC515 5 8 9; IC601 9 12; IC951 7 8; OSC1 0 1

## Via types
v1: diameter 0.6, hole 0.3, Top to Bottom, 996 vias
v2: diameter 0.8, hole 0.4, Top to Bottom, 362 vias
v3: diameter 1.2, hole 0.6, Top to Bottom, 28 vias
v4: diameter 0.5, hole 0.3, Top to Bottom, 1 via
